# Altium PCB DAC_Sources.PcbDoc (part 6 of 9) (continued)
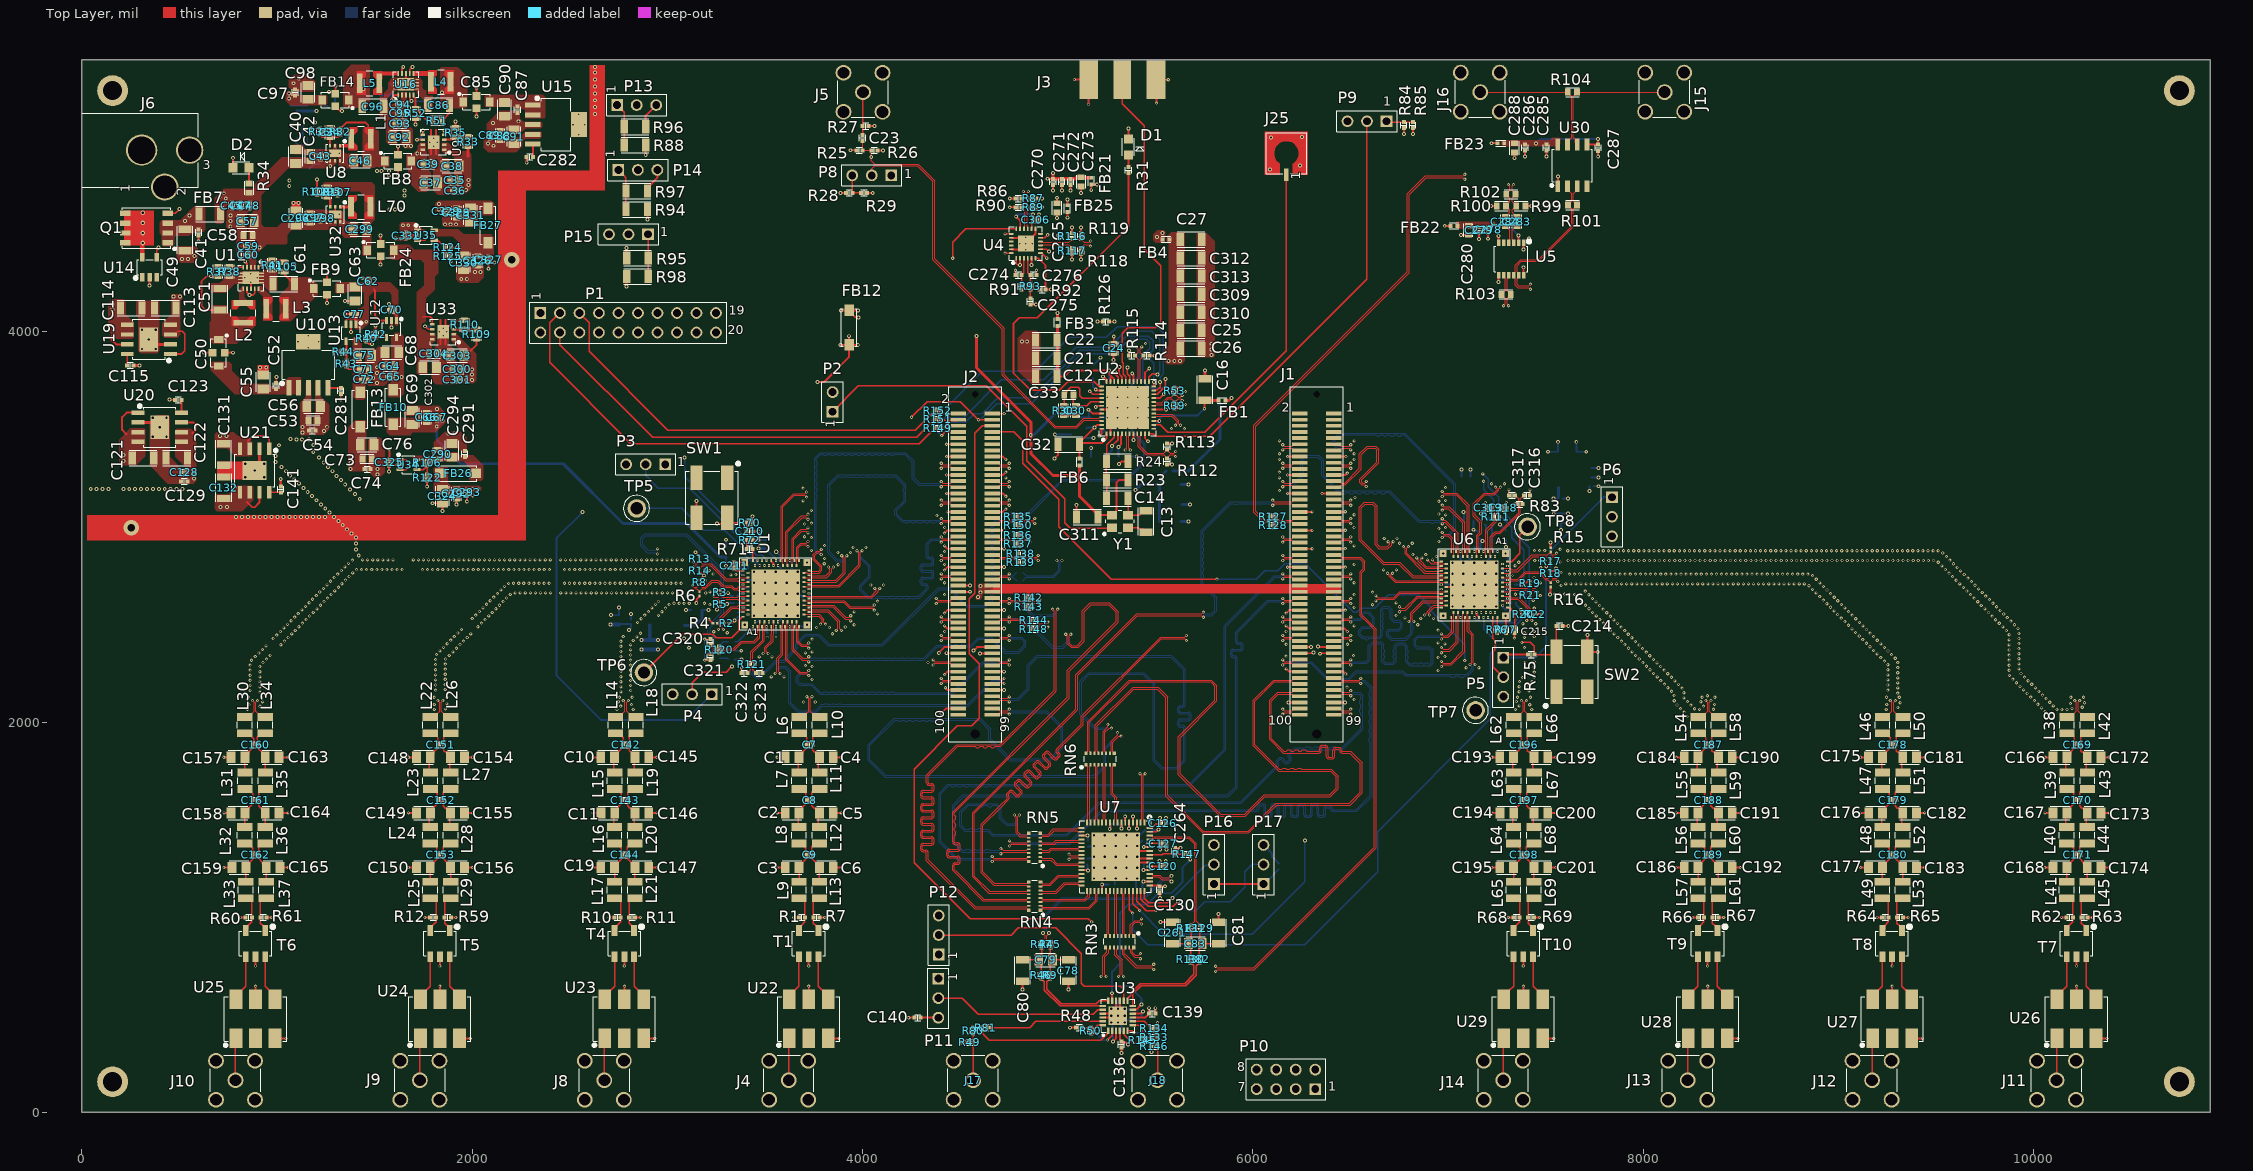
[diagram p0: Top Layer view]
## Nets (pads, with @x,y where several pads share a name; then routed paths per layer and width w, separated by ;. In a path a pad name is that pad's centre, name@x,y a point inside that pad or via, vN(x,y) a via of type N, cw(c..) or ccw(c..) an arc to the next point about the centre after c; other vN are vias at no path point) (continued)
JX1_D6_DAC1_N: J2.38 U1.A20 | length 1759.1
  Top Layer w5: U1.A20@3725.59,2729.06 3728.01,2726.63 3733.5,2726.63 3733.89,2726.24 3862.46,2726.24 3902.25,2766.03 3902.25,2844.2 v1(3893.75,2852.7) ; v1(4403.66,3017.2) 4412.16,3025.7 4451.08,3025.7 4454.27,3022.5 4454.27,3021.79 4461.61,3014.45 J2.38@4491.14,3014.45
  Bottom Layer w5: 3831.44,2973.96 3835.77,2978.29 3835.77,2990.5 3831.44,2994.83 3831.44,3008.21 3835.77,3012.54 3835.77,3024.75 3831.44,3029.08 3831.44,3042.46 3835.77,3046.8 3835.77,3059 3831.44,3063.33 3831.44,3076.72 3835.77,3081.05 3835.77,3093.25 3831.44,3097.58 3831.44,3110.97 3835.77,3115.3 3835.77,3127.5 3831.44,3131.83 3831.44,3145.22 3835.77,3149.55 3835.77,3161.76 3831.44,3166.09 3831.44,3179.47 3835.77,3183.8 3835.77,3196.01 3831.44,3200.34 3831.44,3213.72 3875.98,3258.27 3889.37,3258.27 3893.7,3253.94 3905.91,3253.94 3910.24,3258.27 3923.62,3258.27 3927.95,3253.94 3940.16,3253.94 3944.49,3258.27 3957.87,3258.27 3962.2,3253.94 3974.41,3253.94 3978.74,3258.27 3992.13,3258.27 3996.46,3253.94 4008.66,3253.94 4012.99,3258.27 4026.38,3258.27 4030.71,3253.94 4042.91,3253.94 4047.24,3258.27 4060.63,3258.27 4064.96,3253.94 4077.17,3253.94 4081.5,3258.27 4094.88,3258.27 4099.21,3253.94 4111.42,3253.94 4115.75,3258.27 4129.13,3258.27 4133.46,3253.94 4145.67,3253.94 4150,3258.27 4166.93,3258.27 4212.84,3212.36 4212.84,3198.97 4208.51,3194.64 4208.51,3182.44 4212.84,3178.11 4212.84,3135.41 4166.59,3089.16 4166.59,3062.02 4169.23,3059.38 4202.91,3025.7 4216.3,3025.7 4220.63,3021.37 4232.84,3021.37 4237.17,3025.7 4250.55,3025.7 4254.88,3021.37 4267.09,3021.37 4271.42,3025.7 4284.8,3025.7 4289.13,3021.37 4301.34,3021.37 4305.67,3025.7 4319.06,3025.7 4323.39,3021.37 4335.59,3021.37 4339.92,3025.7 4353.31,3025.7 4357.64,3021.37 4369.84,3021.37 4374.17,3025.7 4395.16,3025.7 v1(4403.66,3017.2) ; 3831.5,2974.02 3831.5,2960.63 3835.83,2956.3 3835.83,2944.09 3831.5,2939.76 3831.5,2926.38 3835.83,2922.05 3835.83,2909.84 3831.44,2905.46 3831.44,2871.92 3871.59,2831.77 3899.32,2831.77 3902.25,2834.7 3902.25,2844.2 v1(3893.75,2852.7)
JX1_D6_DAC1_P: J2.36 U1.B18 | length 1760.7
  Top Layer w5: U1.B18@3700,2717.24 3765.24,2717.24 3866.19,2717.24 3911.25,2762.3 3911.25,2844.2 v1(3919.75,2852.7) ; v1(4403.66,3043.2) 4412.16,3034.7 4451.23,3034.7 4454.27,3037.74 4454.27,3038.6 4461.61,3045.94 J2.36@4491.14,3045.94
  Bottom Layer w5: v1(3919.75,2852.7) 3911.25,2844.2 3911.25,2830.97 3903.05,2822.77 3867.86,2822.77 3822.44,2868.19 3822.44,3217.45 3872.26,3267.27 4100.24,3267.27 4170.66,3267.27 4221.84,3216.08 4221.84,3131.68 4175.59,3085.43 4175.59,3065.75 4206.64,3034.7 4395.16,3034.7 v1(4403.66,3043.2)
JX1_D7_DAC1_N: J2.44 U1.A19 | length 1632.5
  Top Layer w5: U1.A19@3725.59,2705.43 3728.01,2703.01 3733.5,2703.01 3733.89,2702.62 3877.43,2702.62 3980.55,2805.74 3980.55,2869.45 v1(3972.05,2877.95) ; v1(4403.66,2922.71) 4412.16,2931.21 4451.08,2931.21 4454.27,2928.01 4454.27,2927.3 4461.61,2919.96 J2.44@4491.14,2919.96
  Bottom Layer w5: v1(3972.05,2877.95) 3980.55,2869.45 3980.55,2847.41 3985.82,2842.13 4031.89,2796.06 4031.89,2746.59 3985.49,2700.18 3985.49,2676.59 3988.12,2673.95 4026.19,2635.88 4039.58,2635.88 4043.91,2631.55 4056.11,2631.55 4060.45,2635.88 4111.42,2635.88 4115.75,2631.55 4127.95,2631.55 4132.28,2635.88 4145.67,2635.88 4150,2631.55 4162.2,2631.55 4166.54,2635.88 4179.92,2635.88 4184.25,2631.55 4196.46,2631.55 4200.79,2635.88 4214.17,2635.88 4218.5,2631.55 4230.71,2631.55 4235.04,2635.88 4248.43,2635.88 4252.76,2631.55 4264.96,2631.55 4269.29,2635.88 4291.13,2635.88 4296.4,2641.15 4330.55,2675.31 4335.83,2680.58 4335.83,2688.19 4335.83,2695.19 ccw(c4321.83,2695.19) 4321.83,2709.19 4310.83,2709.19 cw(c4310.83,2714.19) 4305.83,2714.19 4305.83,2729.19 cw(c4310.83,2729.19) 4310.83,2734.19 4351.83,2734.19 ccw(c4351.83,2748.19) 4365.83,2748.19 4365.83,2763.19 ccw(c4351.83,2763.19) 4351.83,2777.19 4310.83,2777.19 cw(c4310.83,2782.19) 4305.83,2782.19 4305.83,2797.19 cw(c4310.83,2797.19) 4310.83,2802.19 4351.83,2802.19 ccw(c4351.83,2816.19) 4365.83,2816.19 4365.83,2831.19 ccw(c4351.83,2831.19) 4351.83,2845.19 4340.83,2845.19 cw(c4340.83,2850.19) 4335.83,2850.19 4335.83,2870.4 4335.83,2910.74 4356.3,2931.21 4395.16,2931.21 v1(4403.66,2922.71)
JX1_D7_DAC1_P: J2.42 U1.B17 | length 1635.5
  Top Layer w5: U1.B17@3700,2693.62 3765.24,2693.62 3881.15,2693.62 3989.55,2802.02 3989.55,2869.45 v1(3998.05,2877.95) ; v1(4403.66,2948.71) 4412.16,2940.21 4451.23,2940.21 4454.27,2943.25 4454.27,2944.11 4461.61,2951.46 J2.42@4491.14,2951.46
  Bottom Layer w5: v1(3998.05,2877.95) 3989.55,2869.45 3989.55,2851.13 4040.89,2799.79 4040.89,2742.86 3994.49,2696.46 3994.49,2680.31 4029.92,2644.88 4287.4,2644.88 4326.83,2684.31 4326.83,2688.19 4326.83,2695.19 ccw(c4321.83,2695.19) 4321.83,2700.19 4310.83,2700.19 cw(c4310.83,2714.19) 4296.83,2714.19 4296.83,2729.19 cw(c4310.83,2729.19) 4310.83,2743.19 4351.83,2743.19 ccw(c4351.83,2748.19) 4356.83,2748.19 4356.83,2763.19 ccw(c4351.83,2763.19) 4351.83,2768.19 4310.83,2768.19 cw(c4310.83,2782.19) 4296.83,2782.19 4296.83,2797.19 cw(c4310.83,2797.19) 4310.83,2811.19 4351.83,2811.19 ccw(c4351.83,2816.19) 4356.83,2816.19 4356.83,2831.19 ccw(c4351.83,2831.19) 4351.83,2836.19 4340.83,2836.19 cw(c4340.83,2850.19) 4326.83,2850.19 4326.83,2870.4 4326.83,2914.46 4352.57,2940.21 4395.16,2940.21 v1(4403.66,2948.71)
JX1_D8_DAC1_N: J2.64 U1.B14 | length 1747
  Top Layer w5: U1.B14@3700,2622.76 3765.24,2622.76 3906.77,2622.76 3937.63,2591.89 4051.74,2591.89 v1(4060.24,2600.39) ; v1(4377.95,2607.75) 4386.45,2616.25 4451.08,2616.25 4454.27,2613.05 4454.27,2612.34 4461.61,2605 J2.64@4491.14,2605
  SIG_03 w4: v1(4060.24,2600.39) 4051.74,2591.89 4030.13,2591.89 4009.11,2570.87 4009.11,2544.7 4026.71,2527.1 4026.71,2293.5 4031.98,2288.23 4068.65,2251.56 4126.49,2251.56 4164.02,2289.09 4169.29,2294.36 4169.29,2348.43 4169.29,2354.93 ccw(c4155.49,2354.93) 4155.49,2368.73 4144.09,2368.73 cw(c4144.09,2373.53) 4139.29,2373.53 4139.29,2387.93 cw(c4144.09,2387.93) 4144.09,2392.73 4185.49,2392.73 ccw(c4185.49,2406.53) 4199.29,2406.53 4199.29,2420.93 ccw(c4185.49,2420.93) 4185.49,2434.73 4144.09,2434.73 cw(c4144.09,2439.53) 4139.29,2439.53 4139.29,2453.93 cw(c4144.09,2453.93) 4144.09,2458.73 4185.49,2458.73 ccw(c4185.49,2472.53) 4199.29,2472.53 4199.29,2486.93 ccw(c4185.49,2486.93) 4185.49,2500.73 4174.09,2500.73 cw(c4174.09,2505.53) 4169.29,2505.53 4169.29,2523.23 4169.29,2597.11 4188.42,2616.25 4369.45,2616.25 v1(4377.95,2607.75)
JX1_D8_DAC1_P: J2.62 U1.A15 | length 1747.6
  Top Layer w5: U1.A15@3725.59,2610.94 3728.01,2613.37 3733.5,2613.37 3733.89,2613.76 3903.04,2613.76 3933.91,2582.89 4051.74,2582.89 v1(4060.24,2574.39) ; v1(4377.95,2633.75) 4386.45,2625.25 4451.23,2625.25 4454.27,2628.29 4454.27,2629.15 4461.61,2636.5 J2.62@4491.14,2636.5
  SIG_03 w4: v1(4060.24,2574.39) 4051.74,2582.89 4033.86,2582.89 4018.11,2567.15 4018.11,2548.43 4033.07,2533.46 4035.71,2530.83 4035.71,2519.93 4040.94,2514.69 4040.94,2501.69 4035.71,2496.46 4035.71,2485.55 4040.94,2480.32 4040.94,2467.32 4035.71,2462.09 4035.71,2451.18 4040.94,2445.94 4040.94,2432.95 4035.71,2427.71 4035.71,2416.81 4040.94,2411.57 4040.94,2398.58 4035.71,2393.34 4035.71,2382.44 4040.94,2377.2 4040.94,2364.21 4035.71,2358.97 4035.71,2348.07 4040.94,2342.83 4040.94,2329.84 4037.65,2326.54 ; v1(4377.95,2633.75) 4369.45,2625.25 4322.18,2625.25 4316.95,2630.49 4303.95,2630.49 4298.72,2625.25 4287.81,2625.25 4282.57,2630.49 4269.58,2630.49 4264.34,2625.25 4253.44,2625.25 4248.2,2630.49 4235.21,2630.49 4229.97,2625.25 4219.07,2625.25 4213.83,2630.49 4200.84,2630.49 4195.6,2625.25 4184.7,2625.25 4160.29,2600.84 4160.29,2589.94 4155.05,2584.7 4155.05,2571.71 4160.29,2566.47 4160.29,2555.57 4155.05,2550.33 4155.05,2537.34 4160.29,2532.1 4160.29,2523.23 4160.29,2505.53 ccw(c4174.09,2505.53) 4174.09,2491.73 4185.49,2491.73 cw(c4185.49,2486.93) 4190.29,2486.93 4190.29,2472.53 cw(c4185.49,2472.53) 4185.49,2467.73 4144.09,2467.73 ccw(c4144.09,2453.93) 4130.29,2453.93 4130.29,2439.53 ccw(c4144.09,2439.53) 4144.09,2425.73 4185.49,2425.73 cw(c4185.49,2420.93) 4190.29,2420.93 4190.29,2406.53 cw(c4185.49,2406.53) 4185.49,2401.73 4144.09,2401.73 ccw(c4144.09,2387.93) 4130.29,2387.93 4130.29,2373.53 ccw(c4144.09,2373.53) 4144.09,2359.73 4155.49,2359.73 cw(c4155.49,2354.93) 4160.29,2354.93 4160.29,2348.43 4160.29,2298.09 4122.77,2260.56 4072.37,2260.56 4035.71,2297.23 4035.71,2324.6 ; 4035.71,2324.6 4037.65,2326.54 ; 4035.71,2324.6 4037.65,2326.54
JX1_D9_DAC1_N: J2.70 U1.B13 | length 1857.2
  Top Layer w5: U1.B13@3700,2599.13 3765.24,2599.13 3852.44,2599.13 3915.07,2536.51 3931.26,2536.51 v1(3939.76,2545.01) ; v1(4403.66,2513.26) 4412.16,2521.76 4451.08,2521.76 4454.27,2518.56 4454.27,2517.85 4461.61,2510.51 J2.70@4491.14,2510.51
  SIG_03 w4: v1(3939.76,2545.01) 3948.26,2536.51 3981.6,2536.51 3996.8,2521.31 3996.8,2469.5 3961.42,2434.12 3961.42,2244.19 3961.42,2233.05 3961.42,2190.68 4025.72,2126.38 4196.85,2126.38 4226.04,2155.57 4226.04,2489.16 4287.67,2550.79 4364.04,2550.79 4400.84,2587.59 4406.11,2592.86 4469.08,2592.86 4488.53,2573.41 4488.53,2540.02 4470.26,2521.76 4412.16,2521.76 v1(4403.66,2513.26)
JX1_D9_DAC1_P: J2.68 U1.A14 | length 1855.1
  Top Layer w5: U1.A14@3725.59,2587.32 3728.01,2589.74 3733.5,2589.74 3733.89,2590.13 3848.71,2590.13 3911.34,2527.51 3931.26,2527.51 v1(3939.76,2519.01) ; v1(4403.66,2539.26) 4412.16,2530.76 4451.23,2530.76 4454.27,2533.8 4454.27,2534.66 4461.61,2542.01 J2.68@4491.14,2542.01
  SIG_03 w4: v1(3939.76,2519.01) 3948.26,2527.51 3977.87,2527.51 3987.8,2517.59 3987.8,2473.23 3952.42,2437.85 3952.42,2428.38 3947.18,2423.14 3947.18,2410.15 3952.42,2404.91 3952.42,2394.01 3947.18,2388.77 3947.18,2375.78 3952.42,2370.54 3952.42,2359.63 3947.18,2354.4 3947.18,2341.4 3952.42,2336.17 3952.42,2325.26 3947.18,2320.02 3947.18,2307.03 3952.42,2301.79 3952.42,2290.89 3947.18,2285.65 3947.18,2272.66 3952.42,2267.42 3952.42,2256.52 3947.18,2251.28 3947.18,2238.29 3952.42,2233.05 3952.42,2186.95 4021.99,2117.38 4032.9,2117.38 4038.13,2112.14 4051.13,2112.14 4056.36,2117.38 4067.27,2117.38 4072.51,2112.14 4085.5,2112.14 4090.74,2117.38 4101.64,2117.38 4106.88,2112.14 4119.87,2112.14 4125.11,2117.38 4159.48,2117.38 4200.58,2117.38 4235.04,2151.84 4235.04,2382.32 4240.28,2387.56 4240.28,2400.55 4235.04,2405.79 4235.04,2416.69 4240.28,2421.93 4240.28,2434.92 4235.04,2440.16 4235.04,2451.06 4240.28,2456.3 4240.28,2469.29 4235.04,2474.53 4235.04,2485.43 4291.39,2541.79 4367.77,2541.79 4409.84,2583.86 4465.35,2583.86 4479.53,2569.69 4479.53,2543.75 4466.54,2530.76 4412.16,2530.76 v1(4403.66,2539.26)
JX1_D10_DAC1_N: J2.76 U1.B12 | length 1809
  Top Layer w5: U1.B12@3700,2575.51 3765.24,2575.51 3825.8,2575.51 3883.25,2518.06 3883.25,2478.58 v1(3891.75,2470.08) ; v1(4403.66,2418.77) 4412.16,2427.27 4451.08,2427.27 4454.27,2424.07 4454.27,2423.37 4461.61,2416.02 J2.76@4491.14,2416.02
  SIG_03 w4: v1(3891.75,2470.08) 3883.25,2461.58 3883.25,2445.49 3904.4,2424.34 3904.4,2420.62 3904.4,2386.25 3904.4,2375.34 3909.63,2370.1 3909.63,2357.11 3904.4,2351.87 3904.4,2203.21 3935.71,2171.9 3935.71,2002.88 3958.27,1980.31 4229.53,1980.31 4253.2,2003.99 4253.2,2370.95 4260.82,2378.56 4269.11,2386.85 4274.38,2392.13 4427.17,2392.13 4437.4,2402.36 4437.4,2418.11 4428.24,2427.27 4412.16,2427.27 v1(4403.66,2418.77)
JX1_D10_DAC1_P: J2.74 U1.A13 | length 1810.2
  Top Layer w5: U1.A13@3725.59,2563.7 3728.01,2566.12 3733.5,2566.12 3733.89,2566.51 3822.07,2566.51 3874.25,2514.33 3874.25,2478.58 v1(3865.75,2470.08) ; v1(4403.66,2444.77) 4412.16,2436.27 4451.23,2436.27 4454.27,2439.31 4454.27,2440.18 4461.61,2447.52 J2.74@4491.14,2447.52
  SIG_03 w4: v1(3865.75,2470.08) 3874.25,2461.58 3874.25,2441.76 3895.4,2420.62 3895.4,2387.68 3895.4,2353.3 3895.4,2318.93 3895.4,2284.56 3895.4,2250.19 3895.4,2215.82 3895.4,2199.49 3926.71,2168.18 3926.71,1999.15 3929.34,1996.51 3954.54,1971.31 4233.26,1971.31 4262.2,2000.26 4262.2,2367.22 4264.55,2369.56 4278.11,2383.13 4430.89,2383.13 4446.4,2398.63 4446.4,2421.84 4443.77,2424.47 4431.97,2436.27 4412.16,2436.27 v1(4403.66,2444.77)
JX1_D11_DAC1_N: J2.84 U1.B11 | length 1747.9
  Top Layer w5: U1.B11@3700,2551.89 3765.24,2551.89 3779.18,2551.89 3802.54,2528.53 3802.54,2510.86 v1(3811.04,2502.36) ; v1(4362.2,2292.79) 4370.7,2301.29 4451.08,2301.29 4454.27,2298.09 4454.27,2297.38 4461.61,2290.04 J2.84@4491.14,2290.04
  SIG_03 w4: 3802.54,2425.12 3807.78,2430.36 3807.78,2443.35 3802.54,2448.59 3802.54,2459.49 3807.78,2464.73 3807.78,2477.72 3802.54,2482.96 3802.54,2493.86 v1(3811.04,2502.36) ; 3802.75,2425.33 3802.75,2414.43 3807.99,2409.19 3807.99,2396.2 3802.75,2390.96 3802.75,2260.01 3802.54,2259.79 3900.39,2161.94 3900.39,1971.26 3916.98,1954.67 4275.14,1954.67 4283.13,1962.65 4283.13,2219.74 4288.4,2225.01 4323.07,2259.69 4328.35,2264.96 4402.36,2264.96 4415.22,2277.82 4415.22,2290.81 4404.74,2301.29 4370.7,2301.29 v1(4362.2,2292.79)
JX1_D11_DAC1_P: J2.82 U1.A12 | length 1750
  Top Layer w5: U1.A12@3725.59,2540.08 3728.01,2542.5 3733.5,2542.5 3733.89,2542.89 3775.45,2542.89 3793.54,2524.8 3793.54,2510.86 v1(3785.04,2502.36) ; v1(4362.2,2318.79) 4370.7,2310.29 4451.23,2310.29 4454.27,2313.33 4454.27,2314.19 4461.61,2321.53 J2.82@4491.14,2321.53
  SIG_03 w4: v1(3785.04,2502.36) 3793.54,2493.86 3793.54,2256.07 3891.39,2158.21 3891.39,1967.53 3913.26,1945.67 3925.46,1945.67 3931.42,1939.71 3943.57,1939.71 3949.53,1945.67 3961.74,1945.67 3967.7,1939.71 3979.85,1939.71 3985.81,1945.67 4278.87,1945.67 4292.13,1958.93 4292.13,2216.01 4332.07,2255.96 4406.09,2255.96 4424.22,2274.09 4424.22,2294.54 4408.47,2310.29 4370.7,2310.29 v1(4362.2,2318.79)
JX1_D12_DAC1_N: J2.90 U1.A11 | length 1735.5
  Top Layer w5: U1.A11@3674.41,2488.9 3671.99,2486.48 3671.99,2480.98 3671.6,2480.59 3671.6,2415.41 3690,2397.01 3716.3,2397.01 v1(3724.8,2405.51) ; v1(4403.66,2198.3) 4412.16,2206.8 4451.08,2206.8 4454.27,2203.6 4454.27,2202.89 4461.61,2195.55 J2.90@4491.14,2195.55
  SIG_03 w4: v1(3724.8,2405.51) 3716.3,2397.01 3656.33,2397.01 3639.43,2380.11 3639.43,2267.14 3717.98,2188.58 3801.18,2188.58 3848.03,2141.73 3848.03,1950.66 3888,1910.69 4212.15,1910.69 4218.5,1904.33 4226.32,1904.33 4232.68,1910.69 4243.2,1910.69 4249.55,1904.33 4257.37,1904.33 4263.72,1910.69 4290.74,1910.69 4327.17,1947.11 4327.17,2170.87 4363.1,2206.8 4395.16,2206.8 v1(4403.66,2198.3)
JX1_D12_DAC1_P: J2.88 U1.B10 | length 1734.6
  Top Layer w5: U1.B10@3662.6,2514.49 3662.6,2411.68 3686.27,2388.01 3716.3,2388.01 v1(3724.8,2379.51) ; v1(4403.66,2224.3) 4412.16,2215.8 4451.23,2215.8 4454.27,2218.84 4454.27,2219.7 4461.61,2227.05 J2.88@4491.14,2227.05
  SIG_03 w4: v1(3724.8,2379.51) 3716.3,2388.01 3660.06,2388.01 3648.43,2376.38 3648.43,2270.87 3721.71,2197.58 3804.91,2197.58 3857.03,2145.46 3857.03,1954.39 3891.73,1919.69 4287.01,1919.69 4318.17,1950.84 4318.17,2174.59 4359.37,2215.8 4395.16,2215.8 v1(4403.66,2224.3)
JX1_D13_DAC1_N: J2.75 U1.A10 | length 1680.3
  Top Layer w5: U1.A10@3650.79,2488.9 3648.37,2486.48 3648.37,2480.98 3647.98,2480.59 3647.98,2372.66 3694.09,2326.54 3716.3,2326.54 v1(3724.8,2335.04) ; J2.75@4664.37,2416.02 4693.9,2416.02 4701.24,2423.37 4701.24,2424.07 4704.44,2427.27 4743.35,2427.27 v1(4751.85,2418.77)
  Bottom Layer w5: v1(3724.8,2335.04) 3733.3,2326.54 3745.51,2326.54 3749.84,2330.87 3763.22,2330.87 3767.56,2326.54 3779.76,2326.54 3784.09,2330.87 3797.48,2330.87 3801.81,2326.54 3814.01,2326.54 3818.34,2330.87 3831.73,2330.87 3836.06,2326.54 3848.26,2326.54 3852.59,2330.87 3865.98,2330.87 3870.31,2326.54 3882.52,2326.54 3886.85,2330.87 3901.02,2330.87 3905.18,2326.71 3916.6,2326.71 3920.93,2331.04 3934.32,2331.04 3938.65,2326.71 3950.85,2326.71 3955.18,2331.04 3968.57,2331.04 3972.9,2326.71 3985.1,2326.71 3989.44,2331.04 4002.82,2331.04 4007.15,2326.71 4019.36,2326.71 4023.69,2331.04 4037.07,2331.04 4041.4,2326.71 4053.61,2326.71 4057.94,2331.04 4071.32,2331.04 4075.66,2326.71 4087.86,2326.71 4092.19,2331.04 4105.58,2331.04 4109.91,2326.71 4122.11,2326.71 4126.44,2331.04 4139.83,2331.04 4144.16,2326.71 4156.36,2326.71 4160.7,2331.04 4174.08,2331.04 4178.41,2326.71 4190.62,2326.71 4194.95,2331.04 4208.33,2331.04 4212.66,2326.71 4224.87,2326.71 4229.2,2331.04 4242.58,2331.04 4246.92,2326.71 4259.12,2326.71 4263.45,2331.04 4276.84,2331.04 4281.17,2326.71 4312.99,2326.71 4313.15,2326.54 4381.77,2395.16 4434.53,2395.16 4438.86,2399.49 4452.24,2399.49 4456.57,2395.16 4468.78,2395.16 4473.11,2399.49 4486.49,2399.49 4490.83,2395.16 4503.03,2395.16 4507.36,2399.49 4520.75,2399.49 4525.08,2395.16 4555,2395.16 4593.19,2433.34 4662.72,2433.34 4733.86,2362.2 4798.03,2362.2 4828.74,2392.91 4828.74,2411.13 4812.6,2427.27 4760.35,2427.27 v1(4751.85,2418.77)
JX1_D13_DAC1_P: J2.73 U1.B9 | length 1681.4
  Top Layer w5: U1.B9@3638.98,2514.49 3638.98,2368.93 3690.37,2317.54 3716.3,2317.54 v1(3724.8,2309.04) ; J2.73@4664.37,2447.52 4693.9,2447.52 4701.24,2440.18 4701.24,2439.31 4704.28,2436.27 4743.35,2436.27 v1(4751.85,2444.77)
  Bottom Layer w5: v1(3724.8,2309.04) 3733.3,2317.54 4316.88,2317.54 4385.5,2386.16 4558.73,2386.16 4561.36,2388.79 4596.92,2424.34 4658.99,2424.34 4730.13,2353.2 4801.76,2353.2 4837.74,2389.19 4837.74,2414.86 4816.33,2436.27 4760.35,2436.27 v1(4751.85,2444.77)
JX1_D14_DAC1_N: J2.83 U1.B8 | length 1719.9
  Top Layer w5: U1.B8@3615.35,2514.49 3615.35,2322.21 3681.5,2256.07 3716.3,2256.07 v1(3724.8,2264.57) ; J2.83@4664.37,2290.04 4693.9,2290.04 4701.24,2297.38 4701.24,2298.09 4704.44,2301.29 4743.35,2301.29 v1(4751.85,2292.79)
  Bottom Layer w5: v1(3724.8,2264.57) 3716.3,2256.07 3682.71,2256.07 3661.87,2235.22 3661.87,2203.75 3673.56,2192.06 3676.64,2188.98 3736.58,2188.98 3782.98,2142.57 4461.47,2142.57 4620.18,2301.29 4743.35,2301.29 v1(4751.85,2292.79)
JX1_D14_DAC1_P: J2.81 U1.A8 | length 1720.1
  Top Layer w5: U1.A8@3603.54,2488.9 3605.96,2486.48 3605.96,2480.98 3606.35,2480.59 3606.35,2318.48 3677.77,2247.07 3716.3,2247.07 v1(3724.8,2238.57) ; J2.81@4664.37,2321.53 4693.9,2321.53 4701.24,2314.19 4701.24,2313.33 4704.28,2310.29 4743.35,2310.29 v1(4751.85,2318.79)
  Bottom Layer w5: v1(3724.8,2238.57) 3716.3,2247.07 3686.44,2247.07 3670.87,2231.5 3670.87,2207.48 3679.92,2198.43 3688.47,2198.43 3688.92,2197.98 3740.31,2197.98 3786.71,2151.57 3798.91,2151.57 3803.24,2155.91 3816.63,2155.91 3820.96,2151.57 3833.16,2151.57 3837.49,2155.91 3850.88,2155.91 3855.21,2151.57 3867.42,2151.57 3871.75,2155.91 3885.13,2155.91 3889.46,2151.57 3901.67,2151.57 3906,2155.91 3919.38,2155.91 3923.71,2151.57 3935.92,2151.57 3940.25,2155.91 3953.64,2155.91 3957.97,2151.57 3970.17,2151.57 3974.5,2155.91 3987.89,2155.91 3992.22,2151.57 4004.42,2151.57 4008.75,2155.91 4022.14,2155.91 4026.47,2151.57 4038.68,2151.57 4043.01,2155.91 4056.39,2155.91 4060.72,2151.57 4072.93,2151.57 4077.26,2155.91 4090.64,2155.91 4094.97,2151.57 4107.18,2151.57 4111.51,2155.91 4124.9,2155.91 4129.23,2151.57 4141.43,2151.57 4145.76,2155.91 4159.15,2155.91 4163.48,2151.57 4457.74,2151.57 4616.46,2310.29 4743.35,2310.29 v1(4751.85,2318.79)
JX1_D15_DAC1_N: J2.89 U1.B7 | length 1782.2
  Top Layer w5: v1(3578.35,2249.61) 3569.85,2258.11 3569.85,2324.44 3591.73,2346.33 U1.B7@3591.73,2514.49 ; J2.89@4664.37,2195.55 4671.71,2202.89 4702.5,2202.89 4704.91,2205.3 4718.98,2205.3 v1(4725.98,2198.3)
  Bottom Layer w5: v1(3578.35,2249.61) 3569.85,2258.11 3569.85,2267.61 3580.59,2278.35 3601.97,2278.35 3623.23,2257.09 3623.23,2095.81 3628.5,2090.54 3669.31,2049.73 3763.11,2049.73 ; 3765.75,2052.36 3794.88,2081.5 4542.41,2081.5 4667.72,2206.8 4717.48,2206.8 v1(4725.98,2198.3)
JX1_D15_DAC1_P: J2.87 U1.A7 | length 1787.1
  Top Layer w5: v1(3552.35,2249.61) 3560.85,2258.11 3560.85,2328.17 3582.73,2350.06 3582.73,2480.59 3582.34,2480.98 3582.34,2486.48 U1.A7@3579.92,2488.9 ; J2.87@4664.37,2227.05 4693.9,2227.05 4703.65,2217.3 4718.98,2217.3 v1(4725.98,2224.3)
  Bottom Layer w5: v1(3552.35,2249.61) 3560.85,2258.11 3560.85,2271.33 3576.86,2287.35 3605.7,2287.35 3632.23,2260.81 3632.23,2099.54 3673.04,2058.73 3759.38,2058.73 3791.15,2090.5 3803.36,2090.5 3807.69,2094.83 3821.08,2094.83 3825.41,2090.5 3837.61,2090.5 3841.94,2094.83 3855.33,2094.83 3859.66,2090.5 3871.86,2090.5 3876.19,2094.83 3889.58,2094.83 3893.91,2090.5 4538.69,2090.5 4663.99,2215.8 4717.48,2215.8 v1(4725.98,2224.3)
JX1_DACCLK_DAC1_IN_N: C323.1 R121.1 U1.B3 | length 305.1
  Top Layer w5: C323.1@3455.31,2250.79 3437.57,2268.53 3437.57,2284.81 R121.1@3448.82,2296.06 3437.57,2307.31 3437.57,2357.26 3497.24,2416.93 U1.B3@3497.24,2514.49
JX1_DACCLK_DAC1_IN_P: C322.1 R121.2 U1.A3 | length 280.7
  Top Layer w5: C322.1@3410.83,2250.79 3428.57,2268.53 3428.57,2284.82 R121.2@3417.32,2296.06 3428.57,2307.31 3428.57,2360.98 3488.24,2420.66 3488.24,2480.59 3487.85,2480.98 3487.85,2486.48 U1.A3@3485.43,2488.9
JX1_DACCLK_DAC1_N: C323.2 R115.2 U2.28 | length 3743.4
  Top Layer w5: C323.2@3486.81,2250.79 v1(3486.81,2278.74) ; v1(5405.11,3922.44) 5413.61,3913.94 5413.61,3893.31 5401.15,3880.85 5398.37,3880.85 R115.2@5395.87,3878.35 5413.61,3860.6 5413.61,3757.52 5410.68,3754.59 5410.49,3754.59 5408.27,3752.36 U2.28@5408.27,3745.28
  Bottom Layer w5: v1(3486.81,2278.74) 3448.2,2278.74 3437.57,2268.11 3437.57,2254.16 3455.91,2235.83 3473.1,2235.83 3554.36,2317.08 3594.51,2317.08 3657.48,2380.05 3657.48,2401.97 3706.18,2450.67 3777.41,2450.67 3828.67,2399.41 4099.8,2399.41 4388.53,2688.13 4447.43,2688.13 4535.56,2600 4631.5,2600 4660.24,2628.74 4660.24,3011.15 4721.47,3072.39 4850.34,3072.39 5022.78,3244.83 5350.34,3244.83 5440.55,3335.04 5440.55,3422.83 5379.58,3483.8 5379.58,3738.24 5413.61,3772.27 5413.61,3913.94 v1(5405.11,3922.44)
JX1_DACCLK_DAC1_P: C322.2 R114.2 U2.27 | length 3773.2
  Top Layer w5: C322.2@3379.33,2250.79 v1(3379.33,2278.74) ; U2.27@5427.95,3745.28 5427.95,3752.36 5425.73,3754.59 5425.54,3754.59 5422.61,3757.52 5422.61,3860.6 R114.2@5440.35,3878.35 5437.85,3880.85 5435.07,3880.85 5422.61,3893.31 5422.61,3913.94 v1(5431.11,3922.44)
  Bottom Layer w5: v1(3379.33,2278.74) 3417.94,2278.74 3428.57,2268.11 3428.57,2250.43 3452.18,2226.83 3476.83,2226.83 3558.08,2308.08 3598.24,2308.08 3666.48,2376.32 3666.48,2398.24 3709.91,2441.67 3773.69,2441.67 3824.94,2390.41 4103.53,2390.41 4392.26,2679.13 4443.7,2679.13 4531.83,2591 4635.22,2591 4669.24,2625.01 4669.24,3007.43 4725.2,3063.39 4854.07,3063.39 5026.51,3235.83 5354.07,3235.83 5449.55,3331.31 5449.55,3426.56 5388.58,3487.53 5388.58,3734.52 5422.61,3768.54 5422.61,3913.94 v1(5431.11,3922.44)
JX1_DATACLK_DAC1_N: J2.56 U1.B15 | length 1884.2
  Top Layer w5: U1.B15@3700,2646.38 4045.04,2646.38 4071.1,2672.43 4071.1,2676.93 v1(4062.6,2685.43) ; v1(4403.66,2733.73) 4412.16,2742.23 4451.08,2742.23 4454.27,2739.04 4454.27,2738.33 4461.61,2730.98 J2.56@4491.14,2730.98
  SIG_03 w4: v1(4062.6,2685.43) 4071.1,2693.93 4071.1,2755.94 4054.15,2772.89 3962.41,2772.89 3940.61,2794.7 3940.61,2826.96 3957.42,2843.77 3960.05,2846.4 4119.24,2846.4 4225.78,2952.94 4231.05,2958.21 4294.57,2958.21 4299.84,2952.94 4339.37,2913.41 4339.37,2882.94 4303.65,2847.22 4219.66,2847.22 4200.39,2827.95 4200.39,2742.13 4253.54,2688.98 4451.97,2688.98 4465.35,2702.36 4465.35,2724.41 4447.53,2742.23 4412.16,2742.23 v1(4403.66,2733.73)
JX1_DATACLK_DAC1_P: J2.54 U1.A16 | length 1910
  Top Layer w5: U1.A16@3725.59,2634.57 3728.01,2636.99 3733.5,2636.99 3733.89,2637.38 4048.77,2637.38 4080.1,2668.71 4080.1,2676.93 v1(4088.6,2685.43) ; v1(4403.66,2759.73) 4412.16,2751.23 4451.23,2751.23 4454.27,2754.27 4454.27,2755.14 4461.61,2762.48 J2.54@4491.14,2762.48
  SIG_03 w4: v1(4088.6,2685.43) 4080.1,2693.93 4080.1,2759.67 4057.87,2781.89 3966.14,2781.89 3949.61,2798.43 3949.61,2823.23 3963.78,2837.4 4122.96,2837.4 4147.05,2861.48 4155.71,2861.48 4162.8,2868.57 4162.8,2877.23 4167.32,2881.76 4175.98,2881.76 4183.07,2888.85 4183.07,2897.51 4187.6,2902.04 4196.26,2902.04 4203.35,2909.12 4203.35,2917.78 4207.87,2922.31 4216.54,2922.31 4223.62,2929.4 4223.62,2938.06 4234.78,2949.21 4290.84,2949.21 4330.37,2909.68 4330.37,2886.67 4299.92,2856.22 4215.93,2856.22 4191.39,2831.68 4191.39,2738.4 4249.82,2679.98 4455.7,2679.98 4474.35,2698.63 4474.35,2728.14 4451.26,2751.23 4412.16,2751.23 v1(4403.66,2759.73)
JX1_LVDS9_N: J1.38 R128.1 | length 135.9
  Top Layer w5: R128.1@6119.61,3007.76 6122.11,3010.26 6122.11,3013.16 6134.65,3025.7 6201.34,3025.7 6204.27,3022.77 6204.27,3021.79 6211.61,3014.45 J1.38@6241.14,3014.45
JX1_LVDS9_P: J1.36 R127.1 | length 135.9
  Top Layer w5: R127.1@6119.61,3052.64 6122.11,3050.14 6122.11,3047.24 6134.65,3034.7 6201.34,3034.7 6204.27,3037.63 6204.27,3038.6 6211.61,3045.94 J1.36@6241.14,3045.94
JX2_D0_DAC2_N: J1.84 U6.A27 | length 1443.1
  Top Layer w5: v1(6153.66,2292.79) 6162.16,2301.29 6200.68,2301.29 6204.27,2297.7 6204.27,2297.38 6211.61,2290.04 J1.84@6241.14,2290.04 ; U6.A27@7111.42,2535.43 7109,2533.01 7109,2527.52 7108.61,2527.13 7108.61,2470.26 7130.49,2448.38 7130.49,2304.64 v1(7138.99,2296.14)
  Bottom Layer w5: v1(6153.66,2292.79) 6162.16,2301.29 6296.46,2301.29 6380.81,2216.94 6494.56,2216.94 6531.22,2253.6 6764.91,2253.6 6779.25,2239.25 6781.89,2236.61 7009.45,2236.61 7016.14,2229.92 7033.07,2229.92 7039.76,2236.61 7055.12,2236.61 7061.81,2229.92 7078.74,2229.92 7085.43,2236.61 7100.79,2236.61 7130.49,2266.32 7130.49,2287.64 v1(7138.99,2296.14)
JX2_D0_DAC2_P: J1.82 U6.B24 | length 1441.9
  Top Layer w5: v1(6153.66,2318.79) 6162.16,2310.29 6201.34,2310.29 6204.27,2313.22 6204.27,2314.19 6211.61,2321.54 J1.82@6241.14,2321.54 ; U6.B24@7099.61,2561.02 7099.61,2466.54 7121.49,2444.65 7121.49,2304.64 v1(7112.99,2296.14)
  Bottom Layer w5: v1(6153.66,2318.79) 6162.16,2310.29 6300.18,2310.29 6384.54,2225.94 6490.83,2225.94 6527.49,2262.6 6768.63,2262.6 6785.62,2245.61 7097.06,2245.61 7121.49,2270.05 7121.49,2287.64 v1(7112.99,2296.14)